# KiCad board corne-chocolate.kicad_pcb
title: Corne Chocolate; date: 2018-11-17; rev: 2.1; company: foostan
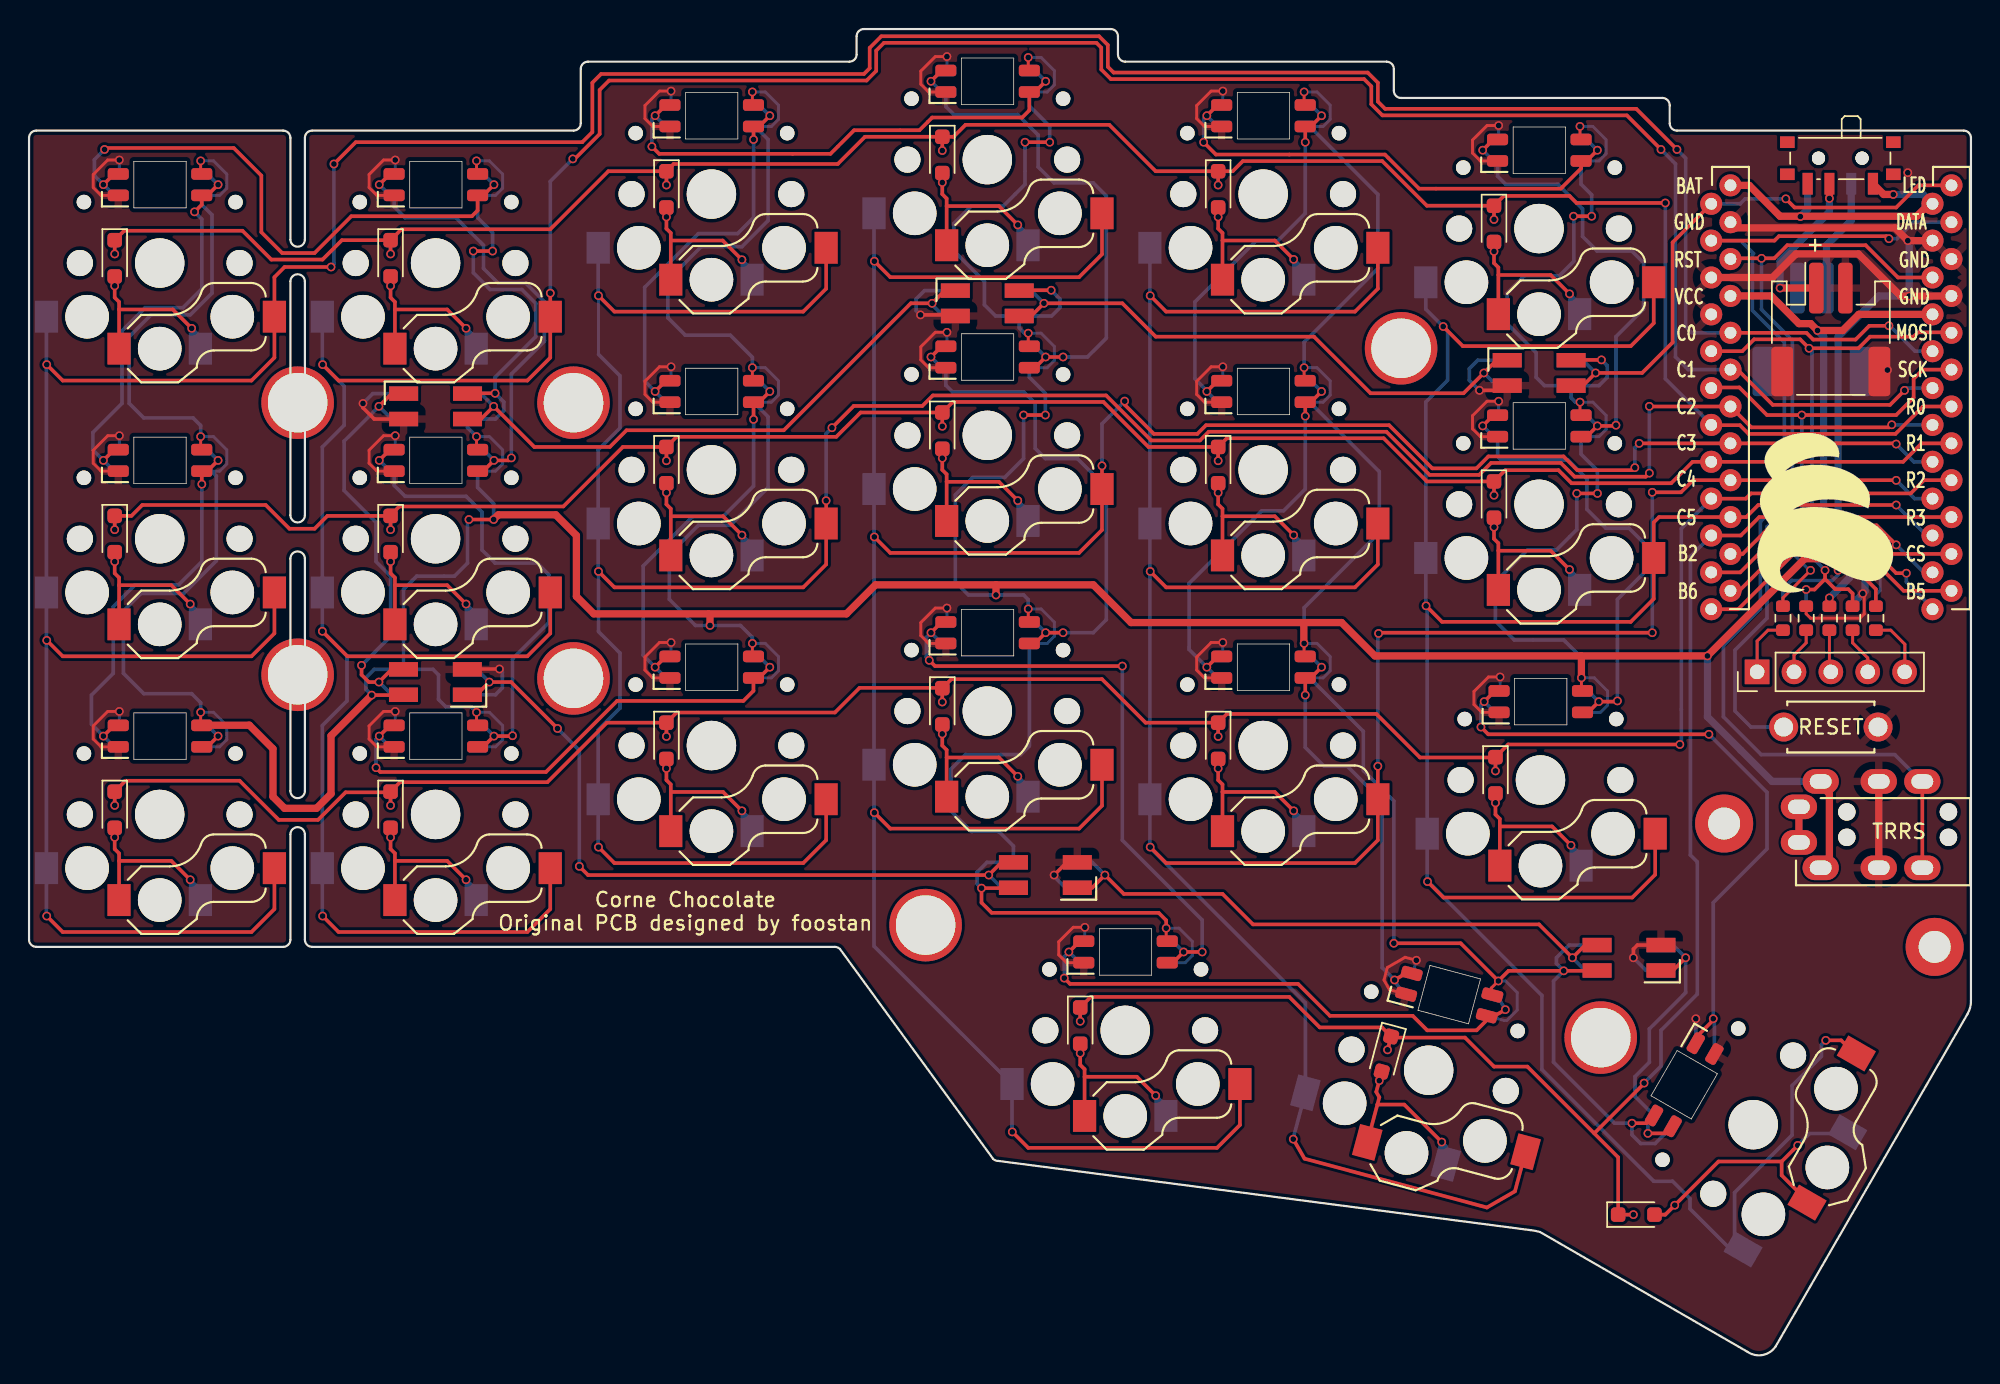
[diagram p0: board, top side]
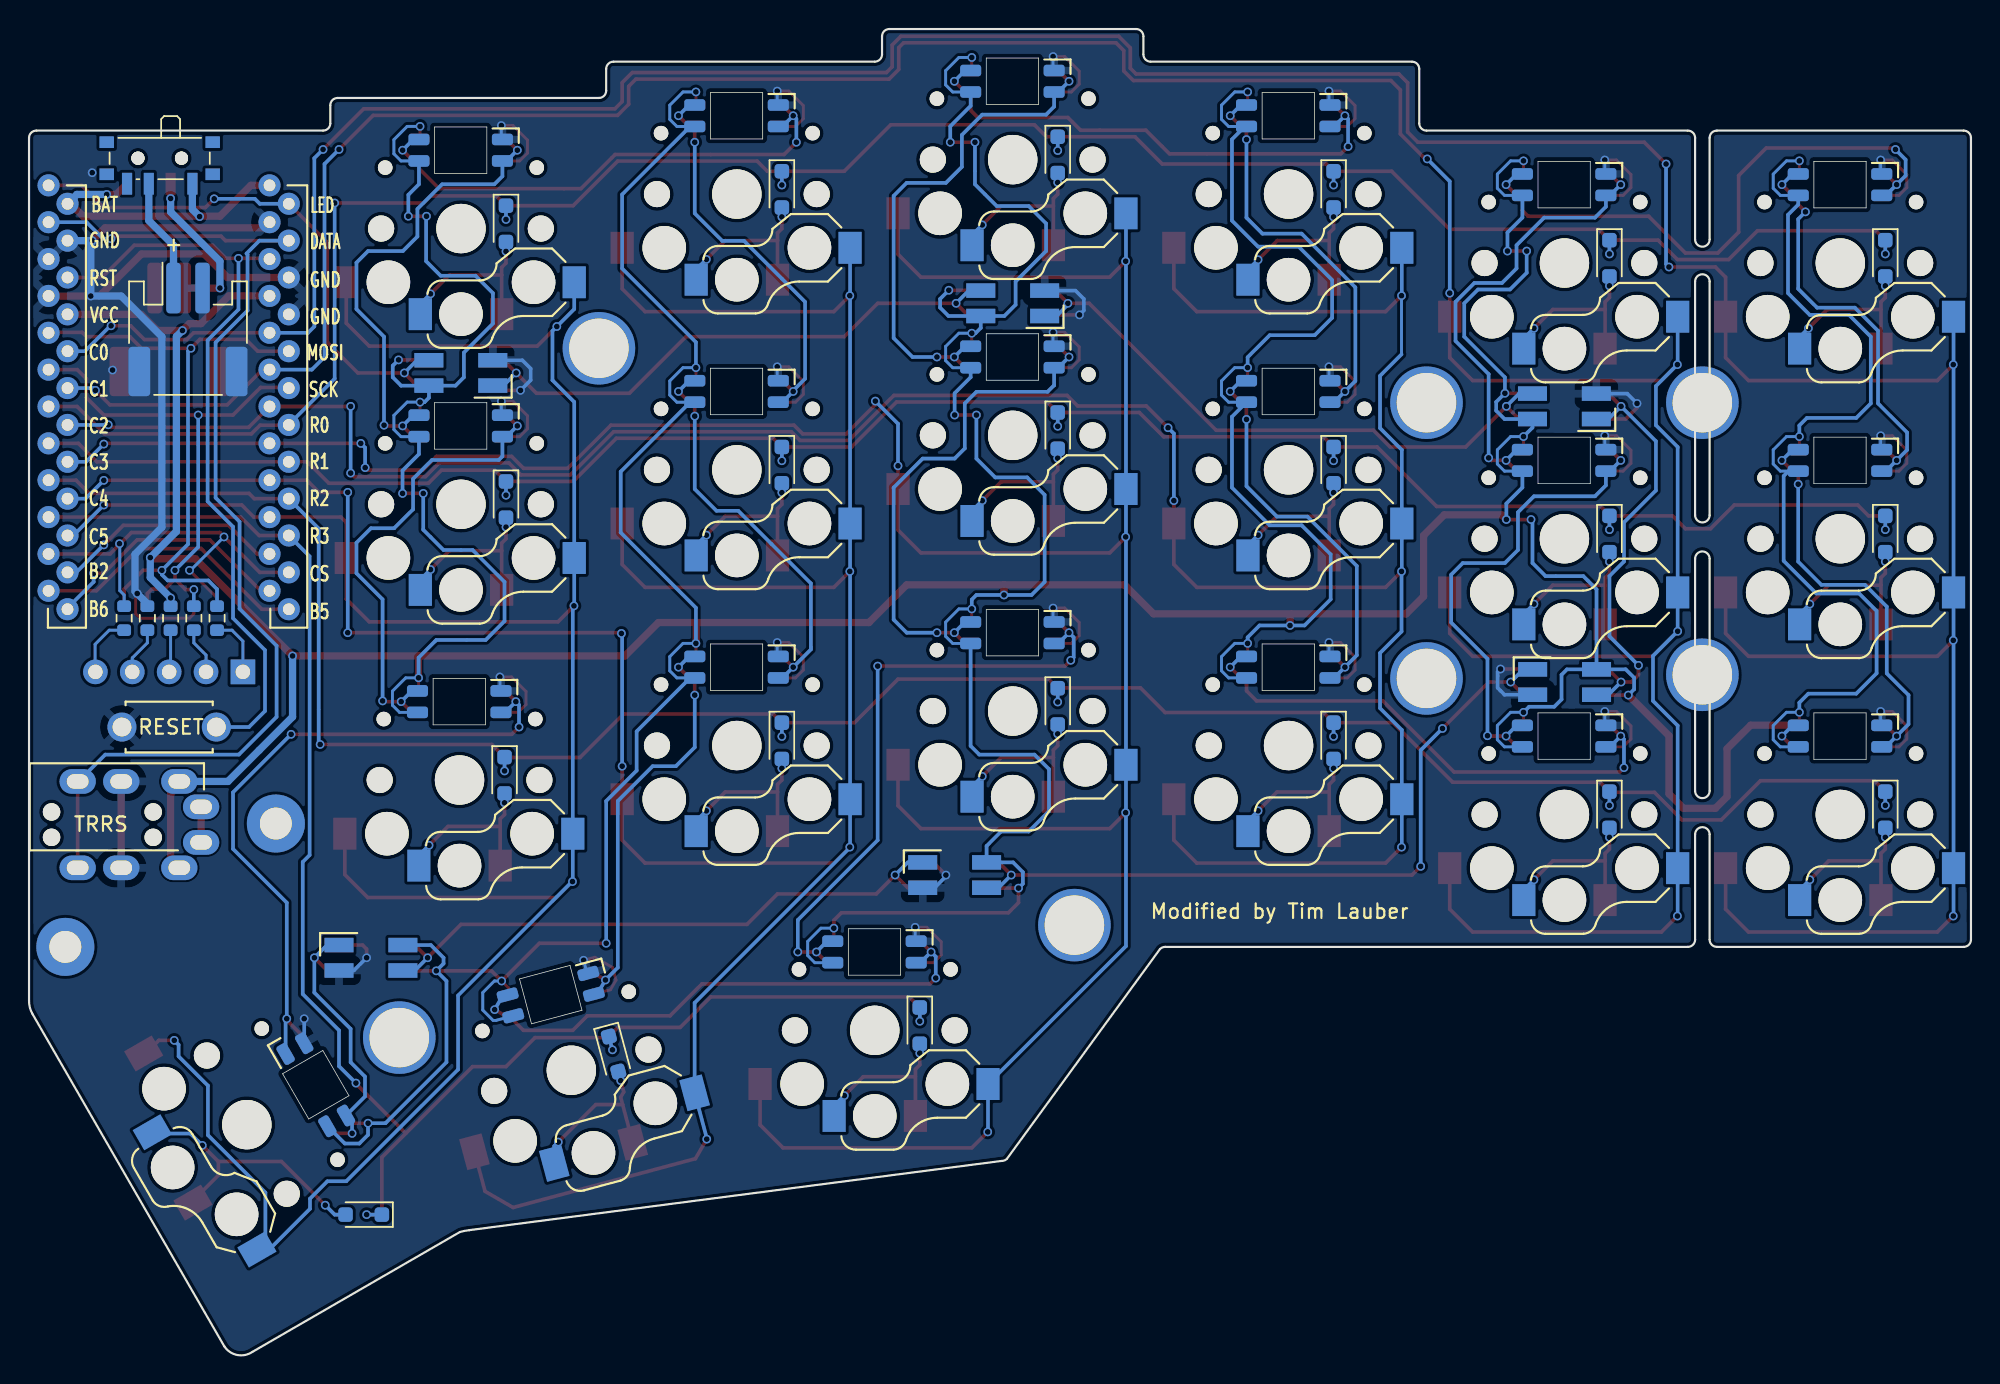
[diagram p1: board, bottom side, seen from below]

Outline 133.75 x 91.37 mm; copper layers: Top, Bottom. Coordinates in mm from the lower left corner of the outline.
Outline path: 133.53,23.52 120.3,0.59 arc(119.41,0) 118.37,0.21 104.07,8.47 arc(103.75,8.55) 103.42,8.6 66.75,13.37 arc(66.56,13.41) 66.4,13.52 55.85,27.98 arc(55.69,28.08) 55.5,28.12 19.5,28.12 arc(19.15,28.27) 19,28.62 19,35.87 arc(18.5,36.37) 18,35.87 18,28.62 arc(17.85,28.27) 17.5,28.12 0.5,28.12 arc(0.15,28.27) 0,28.62 0,83.87 arc(0.15,84.23) 0.5,84.37 17.5,84.37 arc(17.85,84.23) 18,83.87 18,76.87 arc(18.5,76.37) 19,76.87 19,83.87 arc(19.15,84.23) 19.5,84.37 37.5,84.37 arc(37.85,84.52) 38,84.87 38,88.62 arc(38.15,88.98) 38.5,89.12 56.5,89.12 arc(56.85,89.27) 57,89.62 57,90.87 arc(57.15,91.23) 57.5,91.37 74.5,91.37 arc(74.85,91.23) 75,90.87 75,89.62 arc(75.15,89.27) 75.5,89.12 93.5,89.12 arc(93.85,88.98) 94,88.62 94,87.12 arc(94.15,86.77) 94.5,86.62 112.5,86.62 arc(112.85,86.48) 113,86.12 113,84.87 arc(113.15,84.52) 113.5,84.37 133.25,84.37 arc(133.6,84.23) 133.75,83.87 133.75,24.4 arc(133.7,23.94) 133.52,23.52 ; 18,73.97 18,57.87 arc(18.5,57.37) 19,57.87 19,73.97 arc(18.5,74.47) 18,73.97 ; 18,54.87 arc(18.5,55.37) 19,54.87 19,38.87 arc(18.5,38.37) 18,38.87 18,54.87
Stack: Top 0.035mm / dielectric 1.51mm FR4 er 4.5 / Bottom 0.035mm

## Placement (name value [footprint] x y rotation side)
D1  D  [D_SOD-323_HandSoldering]  5.9 75.57 270 top
D2  D  [D_SOD-323_HandSoldering]  5.9 75.57 270 bottom
D3  D  [D_SOD-323_HandSoldering]  62.9 82.7 270 top
D4  D  [D_SOD-323_HandSoldering]  72.4 22.7 270 top
D5  D  [D_SOD-323_HandSoldering]  72.4 22.7 270 bottom
D6  D  [D_SOD-323_HandSoldering]  93.49 20.74 255 top
D7  D  [D_SOD-323_HandSoldering]  5.9 37.57 270 top
D8  D  [D_SOD-323_HandSoldering]  24.9 56.57 270 top
D9  D  [D_SOD-323_HandSoldering]  62.9 82.7 270 bottom
D10  D  [D_SOD-323_HandSoldering]  93.49 20.74 255 bottom
D11  D  [D_SOD-323_HandSoldering]  110.7 9.67 0 bottom
D13  D  [D_SOD-323_HandSoldering]  24.9 56.57 270 bottom
D14  D  [D_SOD-323_HandSoldering]  24.9 37.57 270 top
D15  D  [D_SOD-323_HandSoldering]  62.9 63.7 270 top
D21  D  [D_SOD-323_HandSoldering]  110.7 9.67 0 top
D22  D  [D_SOD-323_HandSoldering]  24.9 75.57 270 top
D23  D  [D_SOD-323_HandSoldering]  24.9 75.57 270 bottom
D24  D  [D_SOD-323_HandSoldering]  5.9 56.57 270 top
D25  D  [D_SOD-323_HandSoldering]  5.9 56.57 270 bottom
D26  D  [D_SOD-323_HandSoldering]  5.9 37.57 270 bottom
D27  D  [D_SOD-323_HandSoldering]  24.9 37.57 270 bottom
D28  D  [D_SOD-323_HandSoldering]  43.9 80.32 270 top
D29  D  [D_SOD-323_HandSoldering]  43.9 80.32 270 bottom
D30  D  [D_SOD-323_HandSoldering]  43.9 61.32 270 top
D31  D  [D_SOD-323_HandSoldering]  43.9 61.32 270 bottom
D32  D  [D_SOD-323_HandSoldering]  43.9 42.32 270 top
D33  D  [D_SOD-323_HandSoldering]  43.9 42.32 270 bottom
D34  D  [D_SOD-323_HandSoldering]  62.9 63.7 270 bottom
D35  D  [D_SOD-323_HandSoldering]  62.9 44.7 270 top
D36  D  [D_SOD-323_HandSoldering]  62.9 44.7 270 bottom
D37  D  [D_SOD-323_HandSoldering]  81.9 80.32 270 top
D38  D  [D_SOD-323_HandSoldering]  81.9 80.32 270 bottom
D39  D  [D_SOD-323_HandSoldering]  81.9 61.32 270 top
D40  D  [D_SOD-323_HandSoldering]  81.9 61.32 270 bottom
D41  D  [D_SOD-323_HandSoldering]  81.9 42.32 270 top
D42  D  [D_SOD-323_HandSoldering]  81.9 42.32 270 bottom
D43  D  [D_SOD-323_HandSoldering]  100.9 77.95 270 top
D44  D  [D_SOD-323_HandSoldering]  100.9 77.95 270 bottom
D45  D  [D_SOD-323_HandSoldering]  100.9 58.95 270 top
D46  D  [D_SOD-323_HandSoldering]  100.9 58.95 270 bottom
D47  D  [D_SOD-323_HandSoldering]  101 39.95 270 top
D48  D  [D_SOD-323_HandSoldering]  101 39.95 270 bottom
G***  LOGO  [corne_logo]  123.1 58.57 270 top
J1  -  [MJ-4PP-9]  133.7 35.67 270 top
J2  nice!view  [PinHeader_1x05_P2.54mm_Vertical]  119.02 47.07 90 top
J3  Battery  [JST_PH_S2B-PH-SM4-TB_1x02-1MP_P2.00mm_Horizontal]  122.8 70.67 180 bottom
J4  Battery  [JST_PH_S2B-PH-SM4-TB_1x02-1MP_P2.00mm_Horizontal]  124.1 70.67 0 top
JP2  SolderJumper_2_Open  [R_0603_1608Metric]  120.8 50.77 90 top
JP3  SolderJumper_2_Open  [R_0603_1608Metric]  122.4 50.77 90 top
JP4  SolderJumper_2_Open  [R_0603_1608Metric]  124 50.77 90 top
JP5  SolderJumper_2_Open  [R_0603_1608Metric]  125.6 50.77 90 top
JP6  SolderJumper_2_Open  [R_0603_1608Metric]  127.2 50.77 90 top
JP7  SolderJumper_2_Open  [R_0603_1608Metric]  120.8 50.77 90 bottom
JP8  SolderJumper_2_Open  [R_0603_1608Metric]  122.4 50.77 90 bottom
JP9  SolderJumper_2_Open  [R_0603_1608Metric]  124 50.77 90 bottom
JP10  SolderJumper_2_Open  [R_0603_1608Metric]  125.6 50.77 90 bottom
JP11  SolderJumper_2_Open  [R_0603_1608Metric]  127.2 50.77 90 bottom
L22  SK6812MINI  [SK6812MINI_underglow_rev]  28 65.37 0 top
L23  SK6812MINI  [SK6812MINI_underglow_rev]  66 72.47 0 top
L24  SK6812MINI  [SK6812MINI_underglow_rev]  104.01 67.67 0 top
L25  SK6812MINI  [SK6812MINI_underglow_rev]  27.99 46.37 180 top
L26  SK6812MINI  [SK6812MINI_underglow_rev]  70 33.07 180 top
L27  SK6812MINI  [SK6812MINI_underglow_rev]  110.2 27.37 180 top
LED1  SK6812  [SK6812MINI-E_doublesided]  9.02 80.65 0 top
LED2  SK6812  [SK6812MINI-E_doublesided]  28.02 80.65 0 top
LED3  SK6812  [SK6812MINI-E_doublesided]  47.02 85.4 0 top
LED4  SK6812  [SK6812MINI-E_doublesided]  66.02 87.77 0 top
LED5  SK6812  [SK6812MINI-E_doublesided]  85.02 85.4 0 top
LED6  SK6812  [SK6812MINI-E_doublesided]  104.02 83.02 0 top
LED7  SK6812  [SK6812MINI-E_doublesided]  9.02 61.65 0 top
LED8  SK6812  [SK6812MINI-E_doublesided]  28.02 61.65 0 top
LED9  SK6812  [SK6812MINI-E_doublesided]  47.02 66.4 0 top
LED10  SK6812  [SK6812MINI-E_doublesided]  66.02 68.77 0 top
LED11  SK6812  [SK6812MINI-E_doublesided]  85.02 66.4 0 top
LED12  SK6812  [SK6812MINI-E_doublesided]  104.02 64.02 0 top
LED13  SK6812  [SK6812MINI-E_doublesided]  9.02 42.65 0 top
LED14  SK6812  [SK6812MINI-E_doublesided]  28.02 42.65 0 top
LED15  SK6812  [SK6812MINI-E_doublesided]  47.02 47.4 0 top
LED16  SK6812  [SK6812MINI-E_doublesided]  66.02 49.77 0 top
LED17  SK6812  [SK6812MINI-E_doublesided]  85.02 47.4 0 top
LED18  SK6812  [SK6812MINI-E_doublesided]  104.12 45.02 0 top
LED19  SK6812  [SK6812MINI-E_doublesided]  75.52 27.77 0 top
LED20  SK6812  [SK6812MINI-E_doublesided]  97.82 24.83 345 top
LED21  SK6812MINI  [SK6812MINI-E_doublesided]  114 18.62 240 top
NOREF  -  [LEGO_HOLE]  116.75 36.62 0 top
NOREF#2  -  [LEGO_HOLE]  131.25 28.12 0 top
NOREF#3  -  [LEGO_HOLE#2]  18.5 65.62 0 top
NOREF#4  -  [LEGO_HOLE#2]  18.5 46.87 0 top
NOREF#5  -  [LEGO_HOLE#2]  37.5 65.62 0 top
NOREF#6  -  [LEGO_HOLE#2]  37.5 46.62 0 top
NOREF#7  -  [LEGO_HOLE#2]  94.5 69.37 0 top
NOREF#8  -  [LEGO_HOLE#2]  61.75 29.62 0 top
NOREF#9  -  [LEGO_HOLE#2]  108.25 21.87 0 top
SW1  SW_Push  [Choc_Hotswap]  9 75.25 180 top
SW2  SW_Push  [Choc_Hotswap]  28 75.25 180 top
SW3  SW_Push  [Choc_Hotswap]  47 80 180 top
SW4  SW_Push  [Choc_Hotswap]  66 82.37 180 top
SW5  SW_Push  [Choc_Hotswap]  85 80 180 top
SW6  SW_Push  [Choc_Hotswap]  104 77.62 180 top
SW7  SW_Push  [Choc_Hotswap]  9 56.25 180 top
SW8  SW_Push  [Choc_Hotswap]  28 56.25 180 top
SW9  SW_Push  [Choc_Hotswap]  47 61 180 top
SW10  SW_Push  [Choc_Hotswap]  66 63.37 180 top
SW11  SW_Push  [Choc_Hotswap]  85 61 180 top
SW12  SW_Push  [Choc_Hotswap]  104 58.62 180 top
SW13  SW_Push  [Choc_Hotswap]  9 37.25 180 top
SW14  SW_Push  [Choc_Hotswap]  28 37.25 180 top
SW15  SW_Push  [Choc_Hotswap]  47 42 180 top
SW16  SW_Push  [Choc_Hotswap]  66 44.37 180 top
SW17  SW_Push  [Choc_Hotswap]  85 42 180 top
SW18  SW_Push  [Choc_Hotswap]  104.1 39.62 180 top
SW19  SW_Push  [Choc_Hotswap]  75.5 22.37 180 top
SW20  SW_Push  [Choc_Hotswap]  96.4 19.62 165 top
SW21  SW_PUSH  [Choc_Hotswap_1.5u]  118.75 15.87 240 top
SW22  SW_PUSH  [ResetSW]  124.1 43.27 180 top
SW23  SW_SPDT  [SW_SPDT_PCM12]  124.75 82.14 0 bottom
SW24  SW_SPDT  [SW_SPDT_PCM12]  124.75 82.14 180 top
U1  ProMicro  [ProMicro_v2]  124.75 66.12 0 top

## Library data of the parts
D1-D10 D13-D15 D22-D48 = -: Description: Diode; Sim.Pins: 1=K 2=A
D11 D21 = -: Description: Diode
J1 = -: Description: 4-pin (audio) jack receptable (stereo + 4th pin/TRRS connector), compatible with PJ320A
J2 = -: Description: Generic connector, single row, 01x05, script generated (kicad-library-utils/schlib/autogen/connector/)
J3 J4 = -: Description: Generic connectable mounting pin connector, double row, 02x01, this symbol is compatible with counter-clockwise, top-bottom and odd-even numbering schemes., script generated (kicad-library-utils/schlib/autogen/connector/)
JP2-JP11 = -: Description: Solder Jumper, 2-pole, open
LED1-LED20 = -: Description: RGB LED with integrated controller
SW1-SW20 = -: Description: Push button switch, generic, two pins
SW23 SW24 = -: Description: Switch, single pole double throw

## Footprints (pads in the part's own frame, mm; a bottom-side part is the same pattern mirrored in y, then rotated)
Choc_Hotswap
  round 1.8 hole 1.8 unplated: (-5.5,0) (5.5,0)
  round 1 hole 1 unplated: (-5.22,-4.2) (5.22,-4.2)
  round 3 hole 3 unplated: (-5,3.7) (0,5.9) (5,3.7)
  round 3.4 hole 3.4 unplated: (0,0)
  rect 1.6x2.2 smd: 1(-7.9,3.7) 2(2.8,5.9)
  rect 1.6x2.2 smd far side: 1(7.8,3.7) 2(-2.8,5.9)
Choc_Hotswap_1.5u
  round 1.8 hole 1.8 unplated: (-5.5,0) (5.5,0)
  round 1 hole 1 unplated: (-5.22,-4.2) (5.22,-4.2)
  round 3 hole 3 unplated: (-5,3.7) (0,5.9) (5,3.7)
  round 3.4 hole 3.4 unplated: (0,0)
  rect 1.6x2.2 smd: 1(-7.8,3.7) 2(2.8,5.9)
  rect 1.6x2.2 smd far side: 1(7.8,3.7) 2(-2.8,5.9)
D_SOD-323_HandSoldering
  rrect 1x1 smd: 1(-1.25,0) 2(1.25,0)
JST_PH_S2B-PH-SM4-TB_1x02-1MP_P2.00mm_Horizontal
  rrect 1x3.5 smd: 1(-1,2.85) 2(1,2.85)
  rrect 1.5x3.4 smd: MP(-3.35,-2.9) MP(3.35,-2.9)
LEGO_HOLE
  round 4 hole 2.2: (0,0)
LEGO_HOLE#2
  round 5 hole 4.1: (0,0)
MJ-4PP-9
  round 1.2 hole 1.2 unplated: (-1.75,-1.5) (-1.75,-8.5) (0,-1.5) (0,-8.5)
  oval 1.7x2.5 hole 1x1.5: A(-2.1,-11.8) A(0.35,-11.8) B(-3.85,-3.3) B(2.1,-3.3) C(-3.85,-6.3) C(2.1,-6.3) D(-3.85,-10.3) D(2.1,-10.3)
PinHeader_1x05_P2.54mm_Vertical
  rect 1.7x1.7 hole 1: 1(0,0)
  oval 1.7x1.7 hole 1: 2(0,-2.54) 3(0,-5.08) 4(0,-7.62) 5(0,-10.16)
ProMicro_v2
  round 1.524 hole 0.813: 1(-8.89,13.208) 1(7.656,14.478) 2(-8.89,10.668) 2(7.656,11.938) 3(-8.89,8.128) 3(7.656,9.398) 4(-8.89,5.588) 4(7.656,6.858) 5(-8.89,3.048) 5(7.656,4.318) 6(-8.89,0.508) 6(7.656,1.778) 7(-8.89,-2.032) 7(7.656,-0.762) 8(-8.89,-4.572) 8(7.656,-3.302) 9(-8.89,-7.112) 9(7.656,-5.842) 10(-8.89,-9.652) 10(7.656,-8.382) 11(-8.89,-12.192) 11(7.656,-10.922) 12(-8.89,-14.732) 12(7.656,-13.462) 13(-7.564,-13.462) 13(6.35,-14.732) 14(-7.564,-10.922) 14(6.35,-12.192) 15(-7.564,-8.382) 15(6.35,-9.652) 16(-7.564,-5.842) 16(6.35,-7.112) 17(-7.564,-3.302) 17(6.35,-4.572) 18(-7.564,-0.762) 18(6.35,-2.032) 19(-7.564,1.778) 19(6.35,0.508) 20(-7.564,4.318) 20(6.35,3.048) 21(-7.564,6.858) 21(6.35,5.588) 22(-7.564,9.398) 22(6.35,8.128) 23(-7.564,11.938) 23(6.35,10.668) 24(-7.564,14.478) 24(6.35,13.208)
R_0603_1608Metric
  rrect 0.8x0.95 smd: 1(-0.825,0) 2(0.825,0)
ResetSW
  round 2 hole 1.3: 1(3.25,0) 2(-3.25,0)
SK6812MINI-E_doublesided
  rrect 1.45x0.8 smd far side: 1(-2.875,0.74) 2(-2.875,-0.74) 3(2.875,-0.74) 4(2.875,0.74)
  rrect 1.45x0.8 smd: 1(-2.875,-0.74) 2(-2.875,0.74) 3(2.875,0.74) 4(2.875,-0.74)
SK6812MINI_underglow_rev
  rect 2x1 smd: 1(-2.2,0.875) 2(-2.2,-0.875) 3(2.2,-0.875) 4(2.2,0.875)
  rect 2x1 smd far side: 1(-2.2,-0.875) 2(-2.2,0.875) 3(2.2,0.875) 4(2.2,-0.875)
SW_SPDT_PCM12
  rect 1x0.8 smd: (-3.65,0.78) (-3.65,-1.43) (3.65,0.78) (3.65,-1.43)
  round 0.9 hole 0.9 unplated: (-1.5,-0.33) (1.5,-0.33)
  rect 0.7x1.5 smd: 1(-2.25,1.43) 2(0.75,1.43) 3(2.25,1.43)

## Nets
/Vbat: SW23.1 SW24.1 U1.24
GND: J1.C J3.2 J3.MP J4.2 J4.MP JP3.2 JP10.2 L22.2 L23.2 L24.2 L25.2 L26.2 L27.2 LED1.1 LED2.1 LED3.1 LED4.1 LED5.1 LED6.1 LED7.1 LED8.1 LED9.1 LED10.1 LED11.1 LED12.1 LED13.1 LED14.1 LED15.1 LED16.1 LED17.1 LED18.1 LED19.1 LED20.1 LED21.2 SW22.2 U1.3 U1.4 U1.23
VCC: J1.D JP4.2 JP9.2 L22.4 L23.4 L24.4 L25.4 L26.4 L27.4 LED1.3 LED2.3 LED3.3 LED4.3 LED5.3 LED6.3 LED7.3 LED8.3 LED9.3 LED10.3 LED11.3 LED12.3 LED13.3 LED14.3 LED15.3 LED16.3 LED17.3 LED18.3 LED19.3 LED20.3 LED21.4 U1.21
/L0: L27.1 LED21.3
/L1: LED18.2 LED21.1
/L2: LED12.2 LED18.4
/L3: LED6.2 LED12.4
/L4: LED5.2 LED6.4
/L5: LED5.4 LED11.2
/L6: LED11.4 LED17.2
/L7: LED17.4 LED20.2
/L8: LED19.2 LED20.4
/L9: LED16.2 LED19.4
/L10: LED10.2 LED16.4
/L11: LED4.2 LED10.4
/L12: LED3.2 LED4.4
/L13: LED3.4 LED9.2
/L14: LED9.4 LED15.2
/L15: LED14.2 LED15.4
/L16: LED8.2 LED14.4
/L17: LED2.2 LED8.4
/L18: LED1.2 LED2.4
/L19: LED1.4 LED7.2
/L20: LED7.4 LED13.2
/SwitchUnit13/dout: LED13.4
col0: SW1.1 SW7.1 SW13.1 U1.20
col1: SW2.1 SW8.1 SW14.1 U1.19
col2: SW3.1 SW9.1 SW15.1 U1.18
col3: SW4.1 SW10.1 SW16.1 SW19.1 U1.17
col4: SW5.1 SW11.1 SW17.1 SW20.1 U1.16
col5: SW6.1 SW12.1 SW18.1 SW21.1 U1.15
CS: JP2.2 JP11.2 U1.11
data: J1.B U1.2
LED: L24.3 U1.1
MOSI: JP6.2 JP7.2 U1.5
reset: SW22.1 U1.22
row0: D1.1 D2.1 D3.1 D9.1 D22.1 D23.1 D28.1 D29.1 D37.1 D38.1 D43.1 D44.1 U1.7
row1: D8.1 D13.1 D15.1 D24.1 D25.1 D30.1 D31.1 D34.1 D39.1 D40.1 D45.1 D46.1 U1.8
row2: D7.1 D14.1 D26.1 D27.1 D32.1 D33.1 D35.1 D36.1 D41.1 D42.1 D47.1 D48.1 U1.9
row3: D4.1 D5.1 D6.1 D10.1 D11.1 D21.1 U1.10
SCK: JP5.2 JP8.2 U1.6
Net-(D1-A): D1.2 D2.2 SW1.2
Net-(D3-A): D3.2 D9.2 SW4.2
Net-(D4-A): D4.2 D5.2 SW19.2
Net-(D10-A): D6.2 D10.2 SW20.2
Net-(D11-A): D11.2 D21.2 SW21.2
Net-(D13-A): D8.2 D13.2 SW8.2
Net-(D14-A): D14.2 D27.2 SW14.2
Net-(D15-A): D15.2 D34.2 SW10.2
Net-(D22-A): D22.2 D23.2 SW2.2
Net-(D24-A): D24.2 D25.2 SW7.2
Net-(D26-A): D7.2 D26.2 SW13.2
Net-(D28-A): D28.2 D29.2 SW3.2
Net-(D30-A): D30.2 D31.2 SW9.2
Net-(D32-A): D32.2 D33.2 SW15.2
Net-(D35-A): D35.2 D36.2 SW16.2
Net-(D37-A): D37.2 D38.2 SW5.2
Net-(D39-A): D39.2 D40.2 SW11.2
Net-(D41-A): D41.2 D42.2 SW17.2
Net-(D43-A): D43.2 D44.2 SW6.2
Net-(D45-A): D45.2 D46.2 SW12.2
Net-(D47-A): D47.2 D48.2 SW18.2
Net-(J2-Pin_1): J2.1 JP2.1 JP7.1
Net-(J2-Pin_2): J2.2 JP3.1 JP8.1
Net-(J2-Pin_3): J2.3 JP4.1 JP9.1
Net-(J2-Pin_4): J2.4 JP5.1 JP10.1
Net-(J2-Pin_5): J2.5 JP6.1 JP11.1
Net-(J3-Pin_1): J3.1 SW23.2
Net-(J4-Pin_1): J4.1 SW24.2
Net-(L22-DIN): L22.3 L23.1
Net-(L22-DOUT): L22.1 L25.3
Net-(L23-DIN): L23.3 L24.1
Net-(L25-DOUT): L25.1 L26.3
Net-(L26-DOUT): L26.1 L27.3

Pads without a net: J1 A; SW23 3; SW24 3; U1 12 13 14

## Via types
v1: diameter 0.6, hole 0.4, Top to Bottom, 286 vias

## Routing (per net, layer and track width the routed paths; a pad name or vN(x,y) marks a point on that pad's centre or on a via; arc(x,y) is an arc through that point)
/Vbat: length 22.3
  Top w0.5: SW24.1 127.74,79.97 v1(128.4,79.97) ; U1.24 130.88,79.33 130.02,78.47 120.6,78.47 118.47,80.6 U1.24
  Bottom w0.5: SW23.1 122.5,78.95 v1(122,78.45) ; U1.24 130.46,79.97 v1(128.4,79.97)
GND: length 234.7
  Top w0.2: v1(44.22,68.1) 43.42,68.1 42.42,67.1 42.42,66.2 42.96,65.66 44.22,65.66 ; v1(82.22,49.1) 81.42,49.1 80.42,48.1 80.42,47.2 80.96,46.66 82.22,46.66 ; 6.22,79.91 4.96,79.91 4.42,80.45 4.42,81.35 5.42,82.35 v1(6.22,82.35) ; v1(95.55,27.2) 94.78,27.41 93.55,26.7 93.32,25.83 93.7,25.17 94.92,24.84 ; 82.22,65.66 80.96,65.66 80.42,66.2 80.42,67.1 81.42,68.1 v1(82.22,68.1) ; v1(6.22,63.35) 5.42,63.35 4.42,62.35 4.42,61.45 4.96,60.91 6.22,60.91 ; v1(63.22,51.47) 62.42,51.47 61.42,50.47 61.42,49.57 61.96,49.03 63.22,49.03 ; 72.72,27.03 71.46,27.03 70.92,27.57 70.92,28.47 71.92,29.47 v1(72.72,29.47) ; 101.32,44.28 100.06,44.28 99.52,44.82 99.52,45.72 100.52,46.72 v1(101.32,46.72) ; 122.4,51.6 122.4,51.07 122.7,50.77 126.1,50.77 126.4,51.07 126.4,52.37 v1(126.3,52.47) ; v1(44.22,49.1) 43.42,49.1 42.42,48.1 42.42,47.2 42.96,46.66 44.22,46.66 ; 63.22,68.03 61.96,68.03 61.42,68.57 61.42,69.47 62.42,70.47 v1(63.22,70.47) ; 82.22,84.66 80.96,84.66 80.42,85.2 80.42,86.1 81.42,87.1 v1(82.22,87.1) ; 25.22,41.91 23.96,41.91 23.42,42.45 23.42,43.35 24.42,44.35 v1(25.22,44.35) ; v1(101.22,65.72) 100.42,65.72 99.42,64.72 99.42,63.82 99.96,63.28 101.22,63.28 ; 101.22,82.28 99.96,82.28 99.42,82.82 99.42,83.72 100.42,84.72 v1(101.22,84.72) ; 63.22,87.03 61.96,87.03 61.42,87.57 61.42,88.47 62.42,89.47 v1(63.22,89.47) ; v1(44.22,87.1) 43.42,87.1 42.42,86.1 42.42,85.2 42.96,84.66 44.22,84.66 ; 25.22,60.91 23.96,60.91 23.42,61.45 23.42,62.35 24.42,63.35 v1(25.22,63.35) ; 6.22,41.91 4.96,41.91 4.42,42.45 4.42,43.35 5.42,44.35 v1(6.22,44.35) ; 25.22,79.91 23.96,79.91 23.42,80.45 23.42,81.35 24.42,82.35 v1(25.22,82.35)
  Top w0.25: v1(61.4,71.67) 63.72,71.67 L23.2 ; v1(23,65.57) 23,65.27 23.78,64.5 L22.2 ; v1(110.5,27.37) 110.5,27.97 110.78,28.25 L27.2 ; v1(32.4,47.27) 30.22,47.27 L25.2 ; v1(70.6,33.07) 71.47,33.95 L26.2 ; v1(99.9,66.47) 101.49,66.47 L24.2
  Top w0.5: U1.23 117.57,77.67 128.52,77.67 v1(129.4,76.79) U1.23 ; U1.4 132.4,72.97 v1(129.5,72.97) 128.9,72.97 126,75.87 121.7,75.87 120.08,74.25 U1.3 ; J1.C J1.C
  Bottom w0.2: v1(44.22,49.1) 44.22,48.14 ; v1(63.22,51.47) 63.22,50.51 ; v1(82.22,49.1) 82.22,48.14 ; v1(25.22,44.35) 25.22,43.39 ; v1(6.22,82.35) 6.22,81.39 ; v1(101.32,46.72) 101.32,45.76 ; v1(44.22,87.1) 44.22,86.14 ; v1(95.55,27.2) 95.3,26.27 ; v1(82.22,87.1) 82.22,86.14 ; v1(63.22,70.47) 63.22,69.51 ; v1(25.22,63.35) 25.22,62.39 ; v1(6.22,44.35) 6.22,43.39 ; v1(63.22,89.47) 63.22,88.51 ; v1(44.22,68.1) 44.22,67.14 ; v1(72.72,29.47) 72.72,28.51 ; v1(25.22,82.35) 25.22,81.39 ; v1(6.22,63.35) 6.22,62.39 ; v1(101.22,84.72) 101.22,83.76 ; v1(101.22,65.72) 101.22,64.76 ; v1(82.22,68.1) 82.22,67.14
  Bottom w0.25: L25.2 32.12,45.5 32.6,45.97 32.6,47.07 v1(32.4,47.27) ; v1(61.4,71.67) 61.1,71.97 61.1,72.77 61.67,73.35 L23.2 ; v1(99.9,66.47) 99.2,67.17 99.2,67.97 99.78,68.55 L24.2 ; v1(114.8,23.17) 114.8,23.17 LED21.2 ; L26.2 71.38,32.2 70.6,32.97 v1(70.6,33.07) ; L27.2 111.38,26.5 v1(110.5,27.37) ; v1(23,65.57) 23.67,66.25 L22.2
  Bottom w0.5: v1(129.4,76.79) 129.5,76.69 v1(129.5,72.97) 127.4,72.97 124.6,70.17 124.6,57.03 126.45,55.18 126.45,52.62 v1(126.3,52.47) 125.6,51.77 125.6,51.6 ; U1.23 129.58,76.79
  vias: v1(128,67.87) v1(129.4,81.47)
VCC: length 732.3
  Top w0.2: v1(78.32,29.41) 78.32,28.51 ; v1(101.2,25.77) 100.71,25.28 100.71,24.82 ; v1(87.82,87.04) 87.82,86.14 ; v1(30.82,44.29) 30.82,43.39 ; v1(11.82,44.29) 11.82,43.39 ; v1(11.82,63.29) 11.82,62.39 ; v1(30.82,63.29) 30.82,62.39 ; v1(49.82,49.04) 49.82,48.14 ; v1(106.82,65.66) 106.82,64.76 ; v1(87.82,49.04) 87.82,48.14 ; v1(106.92,46.66) 106.92,45.76 ; v1(68.82,51.41) 68.82,50.51 ; v1(49.82,68.04) 49.82,67.14 ; v1(11.82,82.29) 11.82,81.39 ; v1(68.82,70.41) 68.82,69.51 ; v1(106.82,84.66) 106.82,83.76 ; v1(68.82,89.41) 68.82,88.51 ; v1(30.82,82.29) 30.82,81.39 ; v1(87.82,68.04) 87.82,67.14 ; v1(49.82,87.04) 49.82,86.14
  Top w0.25: L27.4 107.97,26.47 v1(105.7,26.47) 101.9,26.47 v1(101.2,25.77) 98.6,28.37 v1(94,28.37) ; v1(30.6,76.07) v1(31.92,76.07) ; v1(68.5,64.77) v1(70,64.77) ; v1(106.6,59.37) v1(108.02,59.37) ; L23.4 68.22,73.37 v1(70.4,73.37) ; L25.4 25.77,45.47 v1(23.6,45.47) ; v1(68.6,83.57) v1(70.3,83.57) ; v1(32.1,66.27) 30.22,66.27 L22.4 ; v1(110.4,15.97) 111.39,15.97 LED21.4 ; v1(106.38,78.47) v1(107.62,78.47) ; v1(78.32,29.41) 78.32,29.95 77.8,30.47 66.3,30.47 65.6,31.17 v1(65.6,32.17) 67.78,32.17 L26.4 ; L24.4 106.24,68.57 v1(108.3,68.57) ; v1(30.3,57.57) v1(32,57.57)
  Top w0.5: J1.D 124,34.17 124,38.67 123.4,39.27 J1.D ; U1.21 126.03,71.71 124.91,70.6 v1(123.18,70.6) 122.71,71.07 121.9,71.07 119.99,72.98 U1.21 ; 66.6,53.07 58.3,53.07 56.3,51.07 38.9,51.07 37.7,52.27 37.7,56.47 36.28,57.9 32.33,57.9 v1(32,57.57) ; 66.6,53.07 v1(66.6,52.37) ; 66.6,53.07 73.3,53.07 75.9,50.47 87.8,50.47 ; 106.9,48.17 v1(115.6,48.17) 122.3,54.87 125.32,54.87 v1(125.4,54.95) ; 106.9,48.17 92.7,48.17 90.4,50.47 87.8,50.47 ; 106.9,48.17 106.92,48.15 v1(106.92,46.66) ; v1(23.6,45.47) 20.8,42.67 20.8,38.67 19.8,37.67 17.6,37.67 16.8,38.47 16.8,41.77 15.17,43.4 11.91,43.4 LED13.3 ; v1(46.9,50.27) 46.9,50.97 ; 124,51.6 v1(124,52.17) ; 87.8,50.47 87.8,49.06 v1(87.82,49.04)